# KiCad board insequor58top.kicad_pcb (continued)
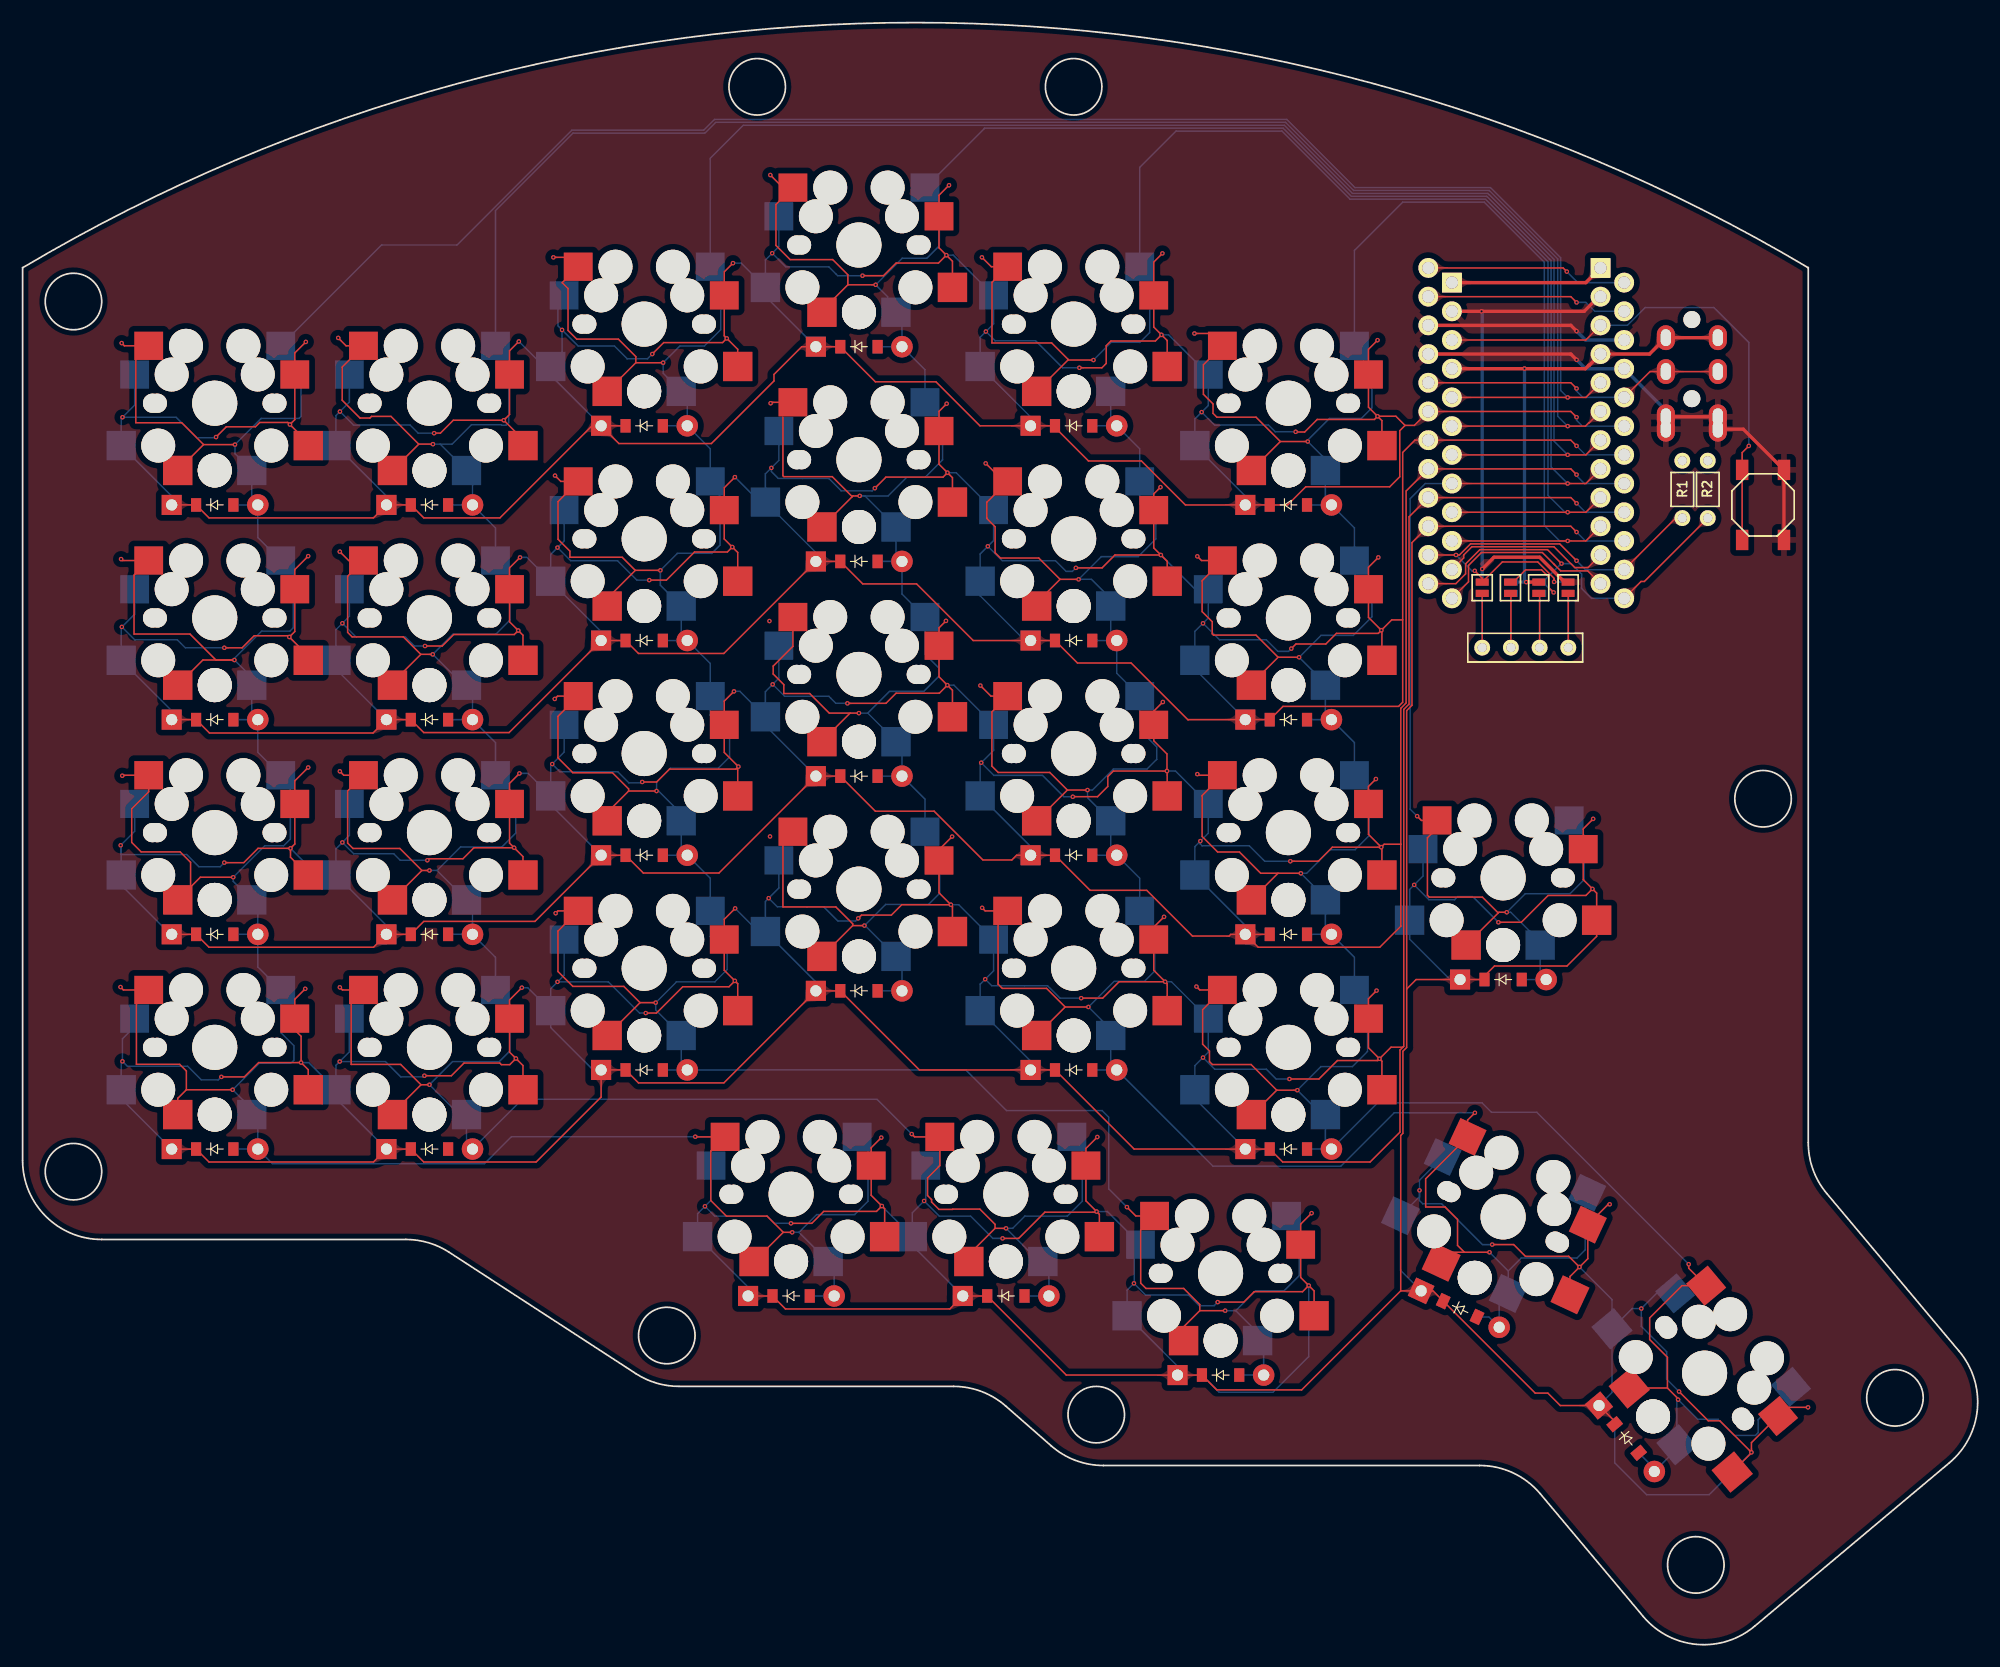
[diagram p0: board, top side]
## Copper pours and planes (outline as drawn; the poured copper is in the pictures) (continued)
P3 on Top: 126.13,109.17 125.92,109.18 125.75,109.21 125.61,109.27 125.49,109.34 125.39,109.42 125.29,109.51 125.18,109.6 125.07,109.7 124.93,109.8 124.76,109.89 123.94,109.1 124.76,108.31 124.93,108.41 125.07,108.5 125.18,108.6 125.29,108.7 125.39,108.79 125.49,108.87 125.61,108.94 125.75,108.99 125.92,109.02 126.13,109.04
P3 on Top: 123.14,107.8 123.31,107.81 123.46,107.85 123.58,107.89 123.69,107.95 123.78,108.01 123.88,108.08 123.98,108.13 124.09,108.18 124.22,108.21 124.38,108.23 124.69,109.41 123.55,109.39 123.51,109.19 123.5,108.99 123.51,108.79 123.53,108.6 123.54,108.42 123.55,108.26 123.52,108.13 123.45,108.02 123.33,107.95 123.14,107.93
P3 on Top: 109.96,100.9 109.75,100.91 109.58,100.94 109.43,101 109.32,101.07 109.21,101.15 109.11,101.24 109.01,101.34 108.89,101.44 108.75,101.54 108.58,101.63 107.75,100.83 108.58,100.03 108.75,100.13 108.89,100.22 109.01,100.32 109.11,100.42 109.21,100.51 109.32,100.6 109.43,100.67 109.58,100.72 109.75,100.75 109.96,100.77
P3 on Top: 106.42,100.77 106.63,100.75 106.8,100.72 106.95,100.67 107.06,100.6 107.17,100.51 107.27,100.42 107.37,100.32 107.49,100.22 107.63,100.13 107.8,100.03 108.63,100.83 107.8,101.63 107.63,101.54 107.49,101.44 107.37,101.34 107.27,101.24 107.17,101.15 107.06,101.07 106.95,101 106.8,100.94 106.63,100.91 106.42,100.9
P3 on Bottom: 49.89,109.04 50.03,108.88 50.13,108.73 50.19,108.59 50.23,108.46 50.24,108.33 50.25,108.19 50.26,108.05 50.27,107.9 50.3,107.73 50.35,107.54 51.5,107.52 51.48,108.67 51.29,108.73 51.13,108.75 50.97,108.77 50.83,108.77 50.69,108.78 50.56,108.79 50.43,108.83 50.29,108.89 50.14,108.99 49.99,109.13
P3 on Bottom: 31.42,102.3 31.52,102.18 31.59,102.06 31.62,101.96 31.62,101.85 31.6,101.74 31.57,101.63 31.52,101.52 31.47,101.4 31.41,101.27 31.35,101.13 32.24,100.39 32.82,101.46 32.67,101.59 32.54,101.7 32.42,101.78 32.3,101.84 32.19,101.9 32.07,101.96 31.95,102.03 31.81,102.12 31.67,102.24 31.51,102.39
P3 on Bottom: 12.42,102.3 12.52,102.18 12.59,102.06 12.62,101.96 12.62,101.85 12.6,101.74 12.57,101.63 12.52,101.52 12.47,101.4 12.41,101.27 12.35,101.13 13.24,100.39 13.82,101.46 13.67,101.59 13.54,101.7 13.42,101.78 13.3,101.84 13.19,101.9 13.07,101.96 12.95,102.03 12.81,102.12 12.67,102.24 12.51,102.39
P3 on Bottom: 139.96,107.74 140.17,107.73 140.34,107.69 140.48,107.64 140.6,107.57 140.7,107.49 140.8,107.4 140.91,107.3 141.02,107.21 141.16,107.11 141.33,107.01 142.15,107.8 141.33,108.59 141.16,108.5 141.02,108.4 140.91,108.3 140.8,108.21 140.7,108.12 140.6,108.04 140.48,107.97 140.34,107.92 140.17,107.88 139.96,107.87
P3 on Bottom: 68.89,116.04 69.03,115.88 69.13,115.73 69.19,115.59 69.23,115.46 69.24,115.33 69.25,115.19 69.26,115.05 69.27,114.9 69.3,114.73 69.35,114.54 70.5,114.52 70.48,115.67 70.29,115.73 70.13,115.75 69.97,115.77 69.83,115.77 69.69,115.78 69.56,115.79 69.43,115.83 69.29,115.89 69.14,115.99 68.99,116.13
P3 on Bottom: 107.42,102.3 107.52,102.18 107.59,102.06 107.62,101.96 107.62,101.85 107.6,101.74 107.57,101.63 107.52,101.52 107.47,101.4 107.41,101.27 107.35,101.13 108.24,100.39 108.82,101.46 108.67,101.59 108.54,101.7 108.42,101.78 108.3,101.84 108.19,101.9 108.07,101.96 107.95,102.03 107.81,102.12 107.67,102.24 107.51,102.39
P3 on Bottom: 88.42,109.3 88.52,109.18 88.59,109.06 88.62,108.96 88.62,108.85 88.6,108.74 88.57,108.63 88.52,108.52 88.47,108.4 88.41,108.27 88.35,108.13 89.24,107.39 89.82,108.46 89.67,108.59 89.54,108.7 89.42,108.78 89.3,108.84 89.19,108.9 89.07,108.96 88.95,109.03 88.81,109.12 88.67,109.24 88.51,109.39
P4 on Top: 68.99,94.53 69.14,94.68 69.29,94.77 69.43,94.83 69.56,94.87 69.69,94.89 69.83,94.89 69.97,94.9 70.13,94.91 70.29,94.94 70.48,94.99 70.5,96.15 69.35,96.12 69.3,95.94 69.27,95.77 69.26,95.61 69.25,95.47 69.24,95.34 69.23,95.2 69.19,95.07 69.13,94.93 69.03,94.79 68.89,94.63
P4 on Top: 109.96,81.9 109.75,81.91 109.58,81.94 109.43,82 109.32,82.07 109.21,82.15 109.11,82.24 109.01,82.34 108.89,82.44 108.75,82.54 108.58,82.63 107.75,81.83 108.58,81.03 108.75,81.13 108.89,81.22 109.01,81.32 109.11,81.42 109.21,81.51 109.32,81.6 109.43,81.67 109.58,81.72 109.75,81.75 109.96,81.77
P4 on Top: 87.42,88.77 87.63,88.75 87.8,88.72 87.95,88.67 88.06,88.6 88.17,88.51 88.27,88.42 88.37,88.32 88.49,88.22 88.63,88.13 88.8,88.03 89.63,88.83 88.8,89.63 88.63,89.54 88.49,89.44 88.37,89.34 88.27,89.24 88.17,89.15 88.06,89.07 87.95,89 87.8,88.94 87.63,88.91 87.42,88.9
P4 on Top: 122.84,106.11 122.96,106.21 123.08,106.26 123.18,106.27 123.29,106.24 123.4,106.19 123.5,106.12 123.73,105.94 123.86,105.85 124,105.77 124.82,106.56 123.76,107.18 123.64,107.06 123.53,106.96 123.44,106.87 123.1,106.55 123,106.45 122.88,106.34 122.75,106.2
P4 on Top: 90.96,88.9 90.75,88.91 90.58,88.94 90.43,89 90.32,89.07 90.21,89.15 90.11,89.24 90.01,89.34 89.89,89.44 89.75,89.54 89.58,89.63 88.75,88.83 89.58,88.03 89.75,88.13 89.89,88.22 90.01,88.32 90.11,88.42 90.21,88.51 90.32,88.6 90.43,88.67 90.58,88.72 90.75,88.75 90.96,88.77
P4 on Top: 14.96,81.9 14.75,81.91 14.58,81.94 14.43,82 14.32,82.07 14.21,82.15 14.11,82.24 14.01,82.34 13.89,82.44 13.75,82.54 13.58,82.63 12.75,81.83 13.58,81.03 13.75,81.13 13.89,81.22 14.01,81.32 14.11,81.42 14.21,81.51 14.32,81.6 14.43,81.67 14.58,81.72 14.75,81.75 14.96,81.77
P4 on Top: 126.13,106.63 125.92,106.64 125.75,106.67 125.61,106.73 125.49,106.8 125.39,106.88 125.29,106.97 125.18,107.06 125.07,107.16 124.93,107.26 124.76,107.35 123.94,106.56 124.76,105.77 124.93,105.87 125.07,105.96 125.18,106.06 125.29,106.16 125.39,106.25 125.49,106.33 125.61,106.4 125.75,106.45 125.92,106.48 126.13,106.5
P4 on Top: 49.99,87.53 50.14,87.68 50.29,87.77 50.43,87.83 50.56,87.87 50.69,87.89 50.83,87.89 50.97,87.9 51.13,87.91 51.29,87.94 51.48,87.99 51.5,89.15 50.35,89.12 50.3,88.94 50.27,88.77 50.26,88.61 50.25,88.47 50.24,88.34 50.23,88.2 50.19,88.07 50.13,87.93 50.03,87.79 49.89,87.63
P4 on Top: 33.96,81.9 33.75,81.91 33.58,81.94 33.43,82 33.32,82.07 33.21,82.15 33.11,82.24 33.01,82.34 32.89,82.44 32.75,82.54 32.58,82.63 31.75,81.83 32.58,81.03 32.75,81.13 32.89,81.22 33.01,81.32 33.11,81.42 33.21,81.51 33.32,81.6 33.43,81.67 33.58,81.72 33.75,81.75 33.96,81.77
P4 on Top: 52.96,88.9 52.75,88.91 52.58,88.94 52.43,89 52.32,89.07 52.21,89.15 52.11,89.24 52.01,89.34 51.89,89.44 51.75,89.54 51.58,89.63 50.75,88.83 51.58,88.03 51.75,88.13 51.89,88.22 52.01,88.32 52.11,88.42 52.21,88.51 52.32,88.6 52.43,88.67 52.58,88.72 52.75,88.75 52.96,88.77
P4 on Top: 30.9,80.59 31.08,80.6 31.23,80.62 31.36,80.66 31.47,80.71 31.57,80.76 31.67,80.82 31.77,80.87 31.89,80.91 32.03,80.93 32.19,80.94 32.5,82.15 31.35,82.12 31.31,81.93 31.29,81.74 31.3,81.55 31.31,81.36 31.32,81.19 31.32,81.03 31.28,80.9 31.21,80.8 31.09,80.74 30.9,80.72
P4 on Top: 71.96,95.9 71.75,95.91 71.58,95.94 71.43,96 71.32,96.07 71.21,96.15 71.11,96.24 71.01,96.34 70.89,96.44 70.75,96.54 70.58,96.63 69.75,95.83 70.58,95.03 70.75,95.13 70.89,95.22 71.01,95.32 71.11,95.42 71.21,95.51 71.32,95.6 71.43,95.67 71.58,95.72 71.75,95.75 71.96,95.77
P4 on Top: 106.42,81.77 106.63,81.75 106.8,81.72 106.95,81.67 107.06,81.6 107.17,81.51 107.27,81.42 107.37,81.32 107.49,81.22 107.63,81.13 107.8,81.03 108.63,81.83 107.8,82.63 107.63,82.54 107.49,82.44 107.37,82.34 107.27,82.24 107.17,82.15 107.06,82.07 106.95,82 106.8,81.94 106.63,81.91 106.42,81.9
P4 on Bottom: 106.89,83.04 107.03,82.88 107.13,82.73 107.19,82.59 107.23,82.46 107.24,82.33 107.25,82.19 107.26,82.05 107.27,81.9 107.3,81.73 107.35,81.54 108.5,81.52 108.48,82.67 108.29,82.73 108.13,82.75 107.97,82.77 107.83,82.77 107.69,82.78 107.56,82.79 107.43,82.83 107.29,82.89 107.14,82.99 106.99,83.13
P4 on Bottom: 50.42,90.3 50.52,90.18 50.59,90.06 50.62,89.96 50.62,89.85 50.6,89.74 50.57,89.63 50.52,89.52 50.47,89.4 50.41,89.27 50.35,89.13 51.24,88.39 51.82,89.46 51.67,89.59 51.54,89.7 51.42,89.78 51.3,89.84 51.19,89.9 51.07,89.96 50.95,90.03 50.81,90.12 50.67,90.24 50.51,90.39
P4 on Bottom: 139.96,105.2 140.17,105.19 140.34,105.15 140.48,105.1 140.6,105.03 140.7,104.95 140.8,104.86 140.91,104.76 141.02,104.67 141.16,104.57 141.33,104.47 142.15,105.26 141.33,106.05 141.16,105.96 141.02,105.86 140.91,105.76 140.8,105.67 140.7,105.58 140.6,105.5 140.48,105.43 140.34,105.38 140.17,105.34 139.96,105.33
P4 on Bottom: 30.89,83.04 31.03,82.88 31.13,82.73 31.19,82.59 31.23,82.46 31.24,82.33 31.25,82.19 31.26,82.05 31.27,81.9 31.3,81.73 31.35,81.54 32.5,81.52 32.48,82.67 32.29,82.73 32.13,82.75 31.97,82.77 31.83,82.77 31.69,82.78 31.56,82.79 31.43,82.83 31.29,82.89 31.14,82.99 30.99,83.13
P4 on Bottom: 69.42,97.3 69.52,97.18 69.59,97.06 69.62,96.96 69.62,96.85 69.6,96.74 69.57,96.63 69.52,96.52 69.47,96.4 69.41,96.27 69.35,96.13 70.24,95.39 70.82,96.46 70.67,96.59 70.54,96.7 70.42,96.78 70.3,96.84 70.19,96.9 70.07,96.96 69.95,97.03 69.81,97.12 69.67,97.24 69.51,97.39
P4 on Bottom: 12.42,83.3 12.52,83.18 12.59,83.06 12.62,82.96 12.62,82.85 12.6,82.74 12.57,82.63 12.52,82.52 12.47,82.4 12.41,82.27 12.35,82.13 13.24,81.39 13.82,82.46 13.67,82.59 13.54,82.7 13.42,82.78 13.3,82.84 13.19,82.9 13.07,82.96 12.95,83.03 12.81,83.12 12.67,83.24 12.51,83.39
P4 on Bottom: 87.68,89.74 87.84,89.56 87.95,89.4 88.04,89.25 88.1,89.11 88.14,88.97 88.19,88.83 88.24,88.69 88.31,88.54 88.4,88.39 88.54,88.23 89.6,88.67 89.12,89.72 88.95,89.7 88.79,89.67 88.52,89.6 88.4,89.58 88.28,89.57 88.16,89.59 88.04,89.63 87.91,89.71 87.77,89.83
P5 on Top: 30.89,61.62 31.07,61.63 31.22,61.66 31.35,61.69 31.46,61.74 31.56,61.78 31.67,61.83 31.77,61.87 31.89,61.91 32.03,61.93 32.19,61.94 32.5,63.15 31.35,63.12 31.31,62.94 31.29,62.75 31.29,62.56 31.3,62.38 31.31,62.21 31.3,62.06 31.26,61.93 31.19,61.84 31.07,61.77 30.89,61.75
P5 on Top: 109.49,61.75 109.31,61.77 109.19,61.84 109.12,61.93 109.08,62.06 109.07,62.21 109.08,62.38 109.09,62.56 109.09,62.75 109.07,62.94 109.03,63.12 107.88,63.15 108.19,61.94 108.35,61.93 108.49,61.91 108.61,61.87 108.71,61.83 108.82,61.78 108.92,61.74 109.03,61.69 109.16,61.66 109.31,61.63 109.49,61.62
P5 on Top: 71.96,76.9 71.75,76.91 71.58,76.94 71.43,77 71.32,77.07 71.21,77.15 71.11,77.24 71.01,77.34 70.89,77.44 70.75,77.54 70.58,77.63 69.75,76.83 70.58,76.03 70.75,76.13 70.89,76.22 71.01,76.32 71.11,76.42 71.21,76.51 71.32,76.6 71.43,76.67 71.58,76.72 71.75,76.75 71.96,76.77
P5 on Top: 52.96,69.9 52.75,69.91 52.58,69.94 52.43,70 52.32,70.07 52.21,70.15 52.11,70.24 52.01,70.34 51.89,70.44 51.75,70.54 51.58,70.63 50.75,69.83 51.58,69.03 51.75,69.13 51.89,69.22 52.01,69.32 52.11,69.42 52.21,69.51 52.32,69.6 52.43,69.67 52.58,69.72 52.75,69.75 52.96,69.77
P5 on Top: 123.19,102.74 123.35,102.88 123.49,102.98 123.63,103.04 123.76,103.07 123.89,103.09 124.02,103.09 124.16,103.1 124.32,103.11 124.48,103.14 124.67,103.19 124.69,104.33 123.55,104.31 123.5,104.12 123.47,103.96 123.46,103.81 123.45,103.67 123.45,103.53 123.43,103.4 123.4,103.27 123.33,103.13 123.24,102.99 123.1,102.83
P5 on Top: 87.61,69.41 87.74,69.51 87.86,69.56 87.97,69.57 88.08,69.53 88.19,69.48 88.29,69.4 88.41,69.3 88.53,69.21 88.66,69.11 88.8,69.03 89.63,69.83 88.56,70.46 88.44,70.34 88.33,70.24 88.23,70.15 88.15,70.07 87.98,69.92 87.88,69.84 87.78,69.75 87.66,69.64 87.52,69.5
P5 on Top: 14.96,62.9 14.75,62.91 14.58,62.94 14.43,63 14.32,63.07 14.21,63.15 14.11,63.24 14.01,63.34 13.89,63.44 13.75,63.54 13.58,63.63 12.75,62.83 13.58,62.03 13.75,62.13 13.89,62.22 14.01,62.32 14.11,62.42 14.21,62.51 14.32,62.6 14.43,62.67 14.58,62.72 14.75,62.75 14.96,62.77
P5 on Top: 126.13,104.09 125.92,104.1 125.75,104.13 125.61,104.19 125.49,104.26 125.39,104.34 125.29,104.43 125.18,104.52 125.07,104.62 124.93,104.72 124.76,104.81 123.94,104.02 124.76,103.23 124.93,103.33 125.07,103.42 125.18,103.52 125.29,103.62 125.39,103.71 125.49,103.79 125.61,103.86 125.75,103.91 125.92,103.94 126.13,103.96
P5 on Top: 106.47,62.61 106.67,62.6 106.84,62.58 106.97,62.54 107.09,62.49 107.19,62.43 107.29,62.36 107.4,62.28 107.51,62.2 107.64,62.12 107.8,62.03 108.63,62.83 107.8,63.63 107.63,63.53 107.49,63.42 107.38,63.3 107.29,63.18 107.2,63.07 107.1,62.97 106.99,62.88 106.86,62.81 106.69,62.76 106.47,62.74
P5 on Top: 33.96,62.9 33.75,62.91 33.58,62.94 33.43,63 33.32,63.07 33.21,63.15 33.11,63.24 33.01,63.34 32.89,63.44 32.75,63.54 32.58,63.63 31.75,62.83 32.58,62.03 32.75,62.13 32.89,62.22 33.01,62.32 33.11,62.42 33.21,62.51 33.32,62.6 33.43,62.67 33.58,62.72 33.75,62.75 33.96,62.77
P5 on Top: 90.96,69.9 90.75,69.91 90.58,69.94 90.43,70 90.32,70.07 90.21,70.15 90.11,70.24 90.01,70.34 89.89,70.44 89.75,70.54 89.58,70.63 88.75,69.83 89.58,69.03 89.75,69.13 89.89,69.22 90.01,69.32 90.11,69.42 90.21,69.51 90.32,69.6 90.43,69.67 90.58,69.72 90.75,69.75 90.96,69.77
P5 on Top: 49.99,68.53 50.14,68.68 50.29,68.77 50.43,68.83 50.56,68.87 50.69,68.89 50.83,68.89 50.97,68.9 51.13,68.91 51.29,68.94 51.48,68.99 51.5,70.15 50.35,70.12 50.3,69.94 50.27,69.77 50.26,69.61 50.25,69.47 50.24,69.34 50.23,69.2 50.19,69.07 50.13,68.93 50.03,68.79 49.89,68.63
P5 on Top: 109.96,62.9 109.75,62.91 109.58,62.94 109.43,63 109.32,63.07 109.21,63.15 109.11,63.24 109.01,63.34 108.89,63.44 108.75,63.54 108.58,63.63 107.75,62.83 108.58,62.03 108.75,62.13 108.89,62.22 109.01,62.32 109.11,62.42 109.21,62.51 109.32,62.6 109.43,62.67 109.58,62.72 109.75,62.75 109.96,62.77
P5 on Top: 68.99,75.53 69.14,75.68 69.29,75.77 69.43,75.83 69.56,75.87 69.69,75.89 69.83,75.89 69.97,75.9 70.13,75.91 70.29,75.94 70.48,75.99 70.5,77.15 69.35,77.12 69.3,76.94 69.27,76.77 69.26,76.61 69.25,76.47 69.24,76.34 69.23,76.2 69.19,76.07 69.13,75.93 69.03,75.79 68.89,75.63
P5 on Bottom: 11.83,63.99 11.98,63.82 12.08,63.67 12.15,63.53 12.19,63.39 12.21,63.26 12.24,62.98 12.26,62.82 12.31,62.65 12.38,62.47 13.53,62.55 13.41,63.69 13.22,63.73 13.05,63.75 12.9,63.75 12.76,63.75 12.62,63.75 12.49,63.76 12.36,63.79 12.22,63.85 12.08,63.94 11.92,64.08
P5 on Bottom: 107.42,64.3 107.52,64.18 107.59,64.06 107.62,63.96 107.62,63.85 107.6,63.74 107.57,63.63 107.52,63.52 107.47,63.4 107.41,63.27 107.35,63.13 108.24,62.39 108.82,63.46 108.67,63.59 108.54,63.7 108.42,63.78 108.3,63.84 108.19,63.9 108.07,63.96 107.95,64.03 107.81,64.12 107.67,64.24 107.51,64.39
P5 on Bottom: 139.96,102.66 140.17,102.65 140.34,102.61 140.48,102.56 140.6,102.49 140.7,102.41 140.8,102.32 140.91,102.22 141.02,102.13 141.16,102.03 141.33,101.93 142.15,102.72 141.33,103.51 141.16,103.42 141.02,103.32 140.91,103.22 140.8,103.13 140.7,103.04 140.6,102.96 140.48,102.89 140.34,102.84 140.17,102.8 139.96,102.79
P5 on Bottom: 68.89,78.04 69.03,77.88 69.13,77.73 69.19,77.59 69.23,77.46 69.24,77.33 69.25,77.19 69.26,77.05 69.27,76.9 69.3,76.73 69.35,76.54 70.5,76.52 70.48,77.67 70.29,77.73 70.13,77.75 69.97,77.77 69.83,77.77 69.69,77.78 69.56,77.79 69.43,77.83 69.29,77.89 69.14,77.99 68.99,78.13
P5 on Bottom: 31.42,64.3 31.52,64.18 31.59,64.06 31.62,63.96 31.62,63.85 31.6,63.74 31.57,63.63 31.52,63.52 31.47,63.4 31.41,63.27 31.35,63.13 32.24,62.39 32.82,63.46 32.67,63.59 32.54,63.7 32.42,63.78 32.3,63.84 32.19,63.9 32.07,63.96 31.95,64.03 31.81,64.12 31.67,64.24 31.51,64.39
P5 on Bottom: 49.89,71.04 50.03,70.88 50.13,70.73 50.19,70.59 50.23,70.46 50.24,70.33 50.25,70.19 50.26,70.05 50.27,69.9 50.3,69.73 50.35,69.54 51.5,69.52 51.48,70.67 51.29,70.73 51.13,70.75 50.97,70.77 50.83,70.77 50.69,70.78 50.56,70.79 50.43,70.83 50.29,70.89 50.14,70.99 49.99,71.13
P5 on Bottom: 88.42,71.3 88.52,71.18 88.59,71.06 88.62,70.96 88.62,70.85 88.6,70.74 88.57,70.63 88.52,70.52 88.47,70.4 88.41,70.27 88.35,70.13 89.24,69.39 89.82,70.46 89.67,70.59 89.54,70.7 89.42,70.78 89.3,70.84 89.19,70.9 89.07,70.96 88.95,71.03 88.81,71.12 88.67,71.24 88.51,71.39
P6 on Top: 90.96,50.9 90.75,50.91 90.58,50.94 90.43,51 90.32,51.07 90.21,51.15 90.11,51.24 90.01,51.34 89.89,51.44 89.75,51.54 89.58,51.63 88.75,50.83 89.58,50.03 89.75,50.13 89.89,50.22 90.01,50.32 90.11,50.42 90.21,50.51 90.32,50.6 90.43,50.67 90.58,50.72 90.75,50.75 90.96,50.77
P6 on Top: 71.96,57.9 71.75,57.91 71.58,57.94 71.43,58 71.32,58.07 71.21,58.15 71.11,58.24 71.01,58.34 70.89,58.44 70.75,58.54 70.58,58.63 69.75,57.83 70.58,57.03 70.75,57.13 70.89,57.22 71.01,57.32 71.11,57.42 71.21,57.51 71.32,57.6 71.43,57.67 71.58,57.72 71.75,57.75 71.96,57.77
P6 on Top: 126.13,101.55 125.92,101.56 125.75,101.59 125.61,101.65 125.49,101.72 125.39,101.8 125.29,101.89 125.18,101.98 125.07,102.08 124.93,102.18 124.76,102.27 123.94,101.48 124.76,100.69 124.93,100.79 125.07,100.88 125.18,100.98 125.29,101.08 125.39,101.17 125.49,101.25 125.61,101.32 125.75,101.37 125.92,101.4 126.13,101.42
P6 on Top: 33.96,43.9 33.75,43.91 33.58,43.94 33.43,44 33.32,44.07 33.21,44.15 33.11,44.24 33.01,44.34 32.89,44.44 32.75,44.54 32.58,44.63 31.75,43.83 32.58,43.03 32.75,43.13 32.89,43.22 33.01,43.32 33.11,43.42 33.21,43.51 33.32,43.6 33.43,43.67 33.58,43.72 33.75,43.75 33.96,43.77
P6 on Top: 51.26,49.06 51.27,49.27 51.3,49.45 51.36,49.59 51.43,49.71 51.51,49.81 51.6,49.91 51.7,50.02 51.8,50.13 51.9,50.27 51.99,50.44 51.19,51.28 50.39,50.44 50.48,50.27 50.58,50.13 50.68,50.02 50.78,49.91 50.87,49.81 50.95,49.71 51.02,49.59 51.08,49.45 51.11,49.27 51.13,49.06
P6 on Top: 14.96,43.9 14.75,43.91 14.58,43.94 14.43,44 14.32,44.07 14.21,44.15 14.11,44.24 14.01,44.34 13.89,44.44 13.75,44.54 13.58,44.63 12.75,43.83 13.58,43.03 13.75,43.13 13.89,43.22 14.01,43.32 14.11,43.42 14.21,43.51 14.32,43.6 14.43,43.67 14.58,43.72 14.75,43.75 14.96,43.77
P6 on Top: 106.42,43.77 106.63,43.75 106.8,43.72 106.95,43.67 107.06,43.6 107.17,43.51 107.27,43.42 107.37,43.32 107.49,43.22 107.63,43.13 107.8,43.03 108.63,43.83 107.8,44.63 107.63,44.54 107.49,44.44 107.37,44.34 107.27,44.24 107.17,44.15 107.06,44.07 106.95,44 106.8,43.94 106.63,43.91 106.42,43.9
P6 on Top: 123.19,100.2 123.35,100.34 123.49,100.44 123.63,100.5 123.76,100.53 123.89,100.55 124.02,100.55 124.16,100.56 124.32,100.57 124.48,100.6 124.67,100.65 124.69,101.79 123.55,101.77 123.5,101.58 123.47,101.42 123.46,101.27 123.45,101.13 123.45,100.99 123.43,100.86 123.4,100.73 123.33,100.59 123.24,100.45 123.1,100.29
P6 on Top: 52.96,50.9 52.75,50.91 52.58,50.94 52.43,51 52.32,51.07 52.21,51.15 52.11,51.24 52.01,51.34 51.89,51.44 51.75,51.54 51.58,51.63 50.75,50.83 51.58,50.03 51.75,50.13 51.89,50.22 52.01,50.32 52.11,50.42 52.21,50.51 52.32,50.6 52.43,50.67 52.58,50.72 52.75,50.75 52.96,50.77
P6 on Top: 68.99,56.53 69.14,56.68 69.29,56.77 69.43,56.83 69.56,56.87 69.69,56.89 69.83,56.89 69.97,56.9 70.13,56.91 70.29,56.94 70.48,56.99 70.5,58.15 69.35,58.12 69.3,57.94 69.27,57.77 69.26,57.61 69.25,57.47 69.24,57.34 69.23,57.2 69.19,57.07 69.13,56.93 69.03,56.79 68.89,56.63
P6 on Top: 30.89,42.62 31.07,42.63 31.22,42.66 31.35,42.69 31.46,42.74 31.56,42.78 31.67,42.83 31.77,42.87 31.89,42.91 32.03,42.93 32.19,42.94 32.5,44.15 31.35,44.12 31.31,43.94 31.29,43.75 31.29,43.56 31.3,43.38 31.31,43.21 31.3,43.06 31.26,42.93 31.19,42.84 31.07,42.77 30.89,42.75
P6 on Top: 109.96,43.9 109.75,43.91 109.58,43.94 109.43,44 109.32,44.07 109.21,44.15 109.11,44.24 109.01,44.34 108.89,44.44 108.75,44.54 108.58,44.63 107.75,43.83 108.58,43.03 108.75,43.13 108.89,43.22 109.01,43.32 109.11,43.42 109.21,43.51 109.32,43.6 109.43,43.67 109.58,43.72 109.75,43.75 109.96,43.77
P6 on Top: 87.42,50.77 87.63,50.75 87.8,50.72 87.95,50.67 88.06,50.6 88.17,50.51 88.27,50.42 88.37,50.32 88.49,50.22 88.63,50.13 88.8,50.03 89.63,50.83 88.8,51.63 88.63,51.54 88.49,51.44 88.37,51.34 88.27,51.24 88.17,51.15 88.06,51.07 87.95,51 87.8,50.94 87.63,50.91 87.42,50.9
P6 on Bottom: 30.89,45.04 31.03,44.88 31.13,44.73 31.19,44.59 31.23,44.46 31.24,44.33 31.25,44.19 31.26,44.05 31.27,43.9 31.3,43.73 31.35,43.54 32.5,43.52 32.48,44.67 32.29,44.73 32.13,44.75 31.97,44.77 31.83,44.77 31.69,44.78 31.56,44.79 31.43,44.83 31.29,44.89 31.14,44.99 30.99,45.13
P6 on Bottom: 106.89,45.04 107.03,44.88 107.13,44.73 107.19,44.59 107.23,44.46 107.24,44.33 107.25,44.19 107.26,44.05 107.27,43.9 107.3,43.73 107.35,43.54 108.5,43.52 108.48,44.67 108.29,44.73 108.13,44.75 107.97,44.77 107.83,44.77 107.69,44.78 107.56,44.79 107.43,44.83 107.29,44.89 107.14,44.99 106.99,45.13
P6 on Bottom: 49.64,51.58 49.79,51.42 49.91,51.27 50,51.13 50.06,51 50.12,50.87 50.18,50.75 50.24,50.62 50.32,50.49 50.42,50.35 50.56,50.2 51.63,50.75 50.96,51.69 50.81,51.64 50.67,51.59 50.54,51.54 50.42,51.5 50.31,51.47 50.2,51.45 50.09,51.46 49.97,51.5 49.85,51.57 49.73,51.68
P6 on Bottom: 69.42,59.3 69.52,59.18 69.59,59.06 69.62,58.96 69.62,58.85 69.6,58.74 69.57,58.63 69.52,58.52 69.47,58.4 69.41,58.27 69.35,58.13 70.24,57.39 70.82,58.46 70.67,58.59 70.54,58.7 70.42,58.78 70.3,58.84 70.19,58.9 70.07,58.96 69.95,59.03 69.81,59.12 69.67,59.24 69.51,59.39
P6 on Bottom: 11.89,45.04 12.03,44.88 12.13,44.73 12.19,44.59 12.23,44.46 12.24,44.33 12.25,44.19 12.26,44.05 12.27,43.9 12.3,43.73 12.35,43.54 13.5,43.52 13.48,44.67 13.29,44.73 13.13,44.75 12.97,44.77 12.83,44.77 12.69,44.78 12.56,44.79 12.43,44.83 12.29,44.89 12.14,44.99 11.99,45.13
P6 on Bottom: 88.42,52.3 88.52,52.18 88.59,52.06 88.62,51.96 88.62,51.85 88.6,51.74 88.57,51.63 88.52,51.52 88.47,51.4 88.41,51.27 88.35,51.13 89.24,50.39 89.82,51.46 89.67,51.59 89.54,51.7 89.42,51.78 89.3,51.84 89.19,51.9 89.07,51.96 88.95,52.03 88.81,52.12 88.67,52.24 88.51,52.39
P6 on Bottom: 139.96,100.12 140.17,100.11 140.34,100.07 140.48,100.02 140.6,99.95 140.7,99.87 140.8,99.78 140.91,99.68 141.02,99.59 141.16,99.49 141.33,99.39 142.15,100.18 141.33,100.97 141.16,100.88 141.02,100.78 140.91,100.68 140.8,100.59 140.7,100.5 140.6,100.42 140.48,100.35 140.34,100.3 140.17,100.26 139.96,100.25
P7 on Top: 125.42,58.77 125.63,58.75 125.8,58.72 125.95,58.67 126.06,58.6 126.17,58.51 126.27,58.42 126.37,58.32 126.49,58.22 126.63,58.13 126.8,58.03 127.63,58.83 126.8,59.63 126.63,59.54 126.49,59.44 126.37,59.34 126.27,59.24 126.17,59.15 126.06,59.07 125.95,59 125.8,58.94 125.63,58.91 125.42,58.9
P7 on Top: 126.13,99.01 125.92,99.02 125.75,99.05 125.61,99.11 125.49,99.18 125.39,99.26 125.29,99.35 125.18,99.44 125.07,99.54 124.93,99.64 124.76,99.73 123.94,98.94 124.76,98.15 124.93,98.25 125.07,98.34 125.18,98.44 125.29,98.54 125.39,98.63 125.49,98.71 125.61,98.78 125.75,98.83 125.92,98.86 126.13,98.88
P7 on Top: 125.35,30.81 125.21,30.96 125.1,31.08 125,31.19 124.92,31.29 124.77,31.48 124.69,31.57 124.6,31.67 124.5,31.78 124.37,31.91 123.3,31.29 124.13,30.49 124.26,30.56 124.39,30.63 124.5,30.71 124.61,30.78 124.72,30.84 124.82,30.88 124.92,30.89 125.03,30.87 125.14,30.82 125.26,30.72
P7 on Top: 123.19,97.66 123.35,97.8 123.49,97.9 123.63,97.96 123.76,97.99 123.89,98.01 124.02,98.01 124.16,98.02 124.32,98.03 124.48,98.06 124.67,98.11 124.69,99.25 123.55,99.23 123.5,99.04 123.47,98.88 123.46,98.73 123.45,98.59 123.45,98.45 123.43,98.32 123.4,98.19 123.33,98.05 123.24,97.91 123.1,97.75
P7 on Top: 137.71,21.07 137.93,21.06 138.1,21.02 138.24,20.97 138.36,20.9 138.46,20.82 138.56,20.73 138.67,20.63 138.78,20.53 138.92,20.43 139.09,20.34 139.93,21.14 139.09,21.94 138.92,21.84 138.78,21.74 138.67,21.64 138.56,21.55 138.46,21.45 138.36,21.37 138.24,21.3 138.1,21.25 137.93,21.21 137.71,21.2
P7 on Top: 84.96,30.9 84.75,30.91 84.58,30.94 84.43,31 84.32,31.07 84.21,31.15 84.11,31.24 84.01,31.34 83.89,31.44 83.75,31.54 83.58,31.63 82.75,30.83 83.58,30.03 83.75,30.13 83.89,30.22 84.01,30.32 84.11,30.42 84.21,30.51 84.32,30.6 84.43,30.67 84.58,30.72 84.75,30.75 84.96,30.77
P7 on Top: 121.97,31.22 122.19,31.21 122.36,31.17 122.5,31.12 122.62,31.05 122.72,30.97 122.82,30.88 122.93,30.78 123.05,30.68 123.19,30.58 123.36,30.49 124.19,31.29 123.36,32.09 123.19,31.99 123.05,31.89 122.93,31.79 122.82,31.7 122.72,31.6 122.62,31.52 122.5,31.45 122.36,31.4 122.19,31.36 121.97,31.35
P7 on Top: 103.96,23.9 103.75,23.91 103.58,23.94 103.43,24 103.32,24.07 103.21,24.15 103.11,24.24 103.01,24.34 102.89,24.44 102.75,24.54 102.58,24.63 101.75,23.83 102.58,23.03 102.75,23.13 102.89,23.22 103.01,23.32 103.11,23.42 103.21,23.51 103.32,23.6 103.43,23.67 103.58,23.72 103.75,23.75 103.96,23.77
P7 on Top: 128.96,58.9 128.75,58.91 128.58,58.94 128.43,59 128.32,59.07 128.21,59.15 128.11,59.24 128.01,59.34 127.89,59.44 127.75,59.54 127.58,59.63 126.75,58.83 127.58,58.03 127.75,58.13 127.89,58.22 128.01,58.32 128.11,58.42 128.21,58.51 128.32,58.6 128.43,58.67 128.58,58.72 128.75,58.75 128.96,58.77
P7 on Top: 100.42,23.77 100.63,23.75 100.8,23.72 100.95,23.67 101.06,23.6 101.17,23.51 101.27,23.42 101.37,23.32 101.49,23.22 101.63,23.13 101.8,23.03 102.63,23.83 101.8,24.63 101.63,24.54 101.49,24.44 101.37,24.34 101.27,24.24 101.17,24.15 101.06,24.07 100.95,24 100.8,23.94 100.63,23.91 100.42,23.9
P7 on Top: 65.96,30.9 65.75,30.91 65.58,30.94 65.43,31 65.32,31.07 65.21,31.15 65.11,31.24 65.01,31.34 64.89,31.44 64.75,31.54 64.58,31.63 63.75,30.83 64.58,30.03 64.75,30.13 64.89,30.22 65.01,30.32 65.11,30.42 65.21,30.51 65.32,30.6 65.43,30.67 65.58,30.72 65.75,30.75 65.96,30.77
P7 on Top: 81.89,29.62 82.07,29.63 82.22,29.66 82.35,29.69 82.46,29.74 82.56,29.78 82.67,29.83 82.77,29.87 82.89,29.91 83.03,29.93 83.19,29.94 83.5,31.15 82.35,31.12 82.31,30.94 82.29,30.75 82.29,30.56 82.3,30.38 82.31,30.21 82.3,30.06 82.26,29.93 82.19,29.84 82.07,29.77 81.89,29.75